# Altium PCB PW-Sat2_EPS_EM_Battery-Controller.PcbDoc (continued)
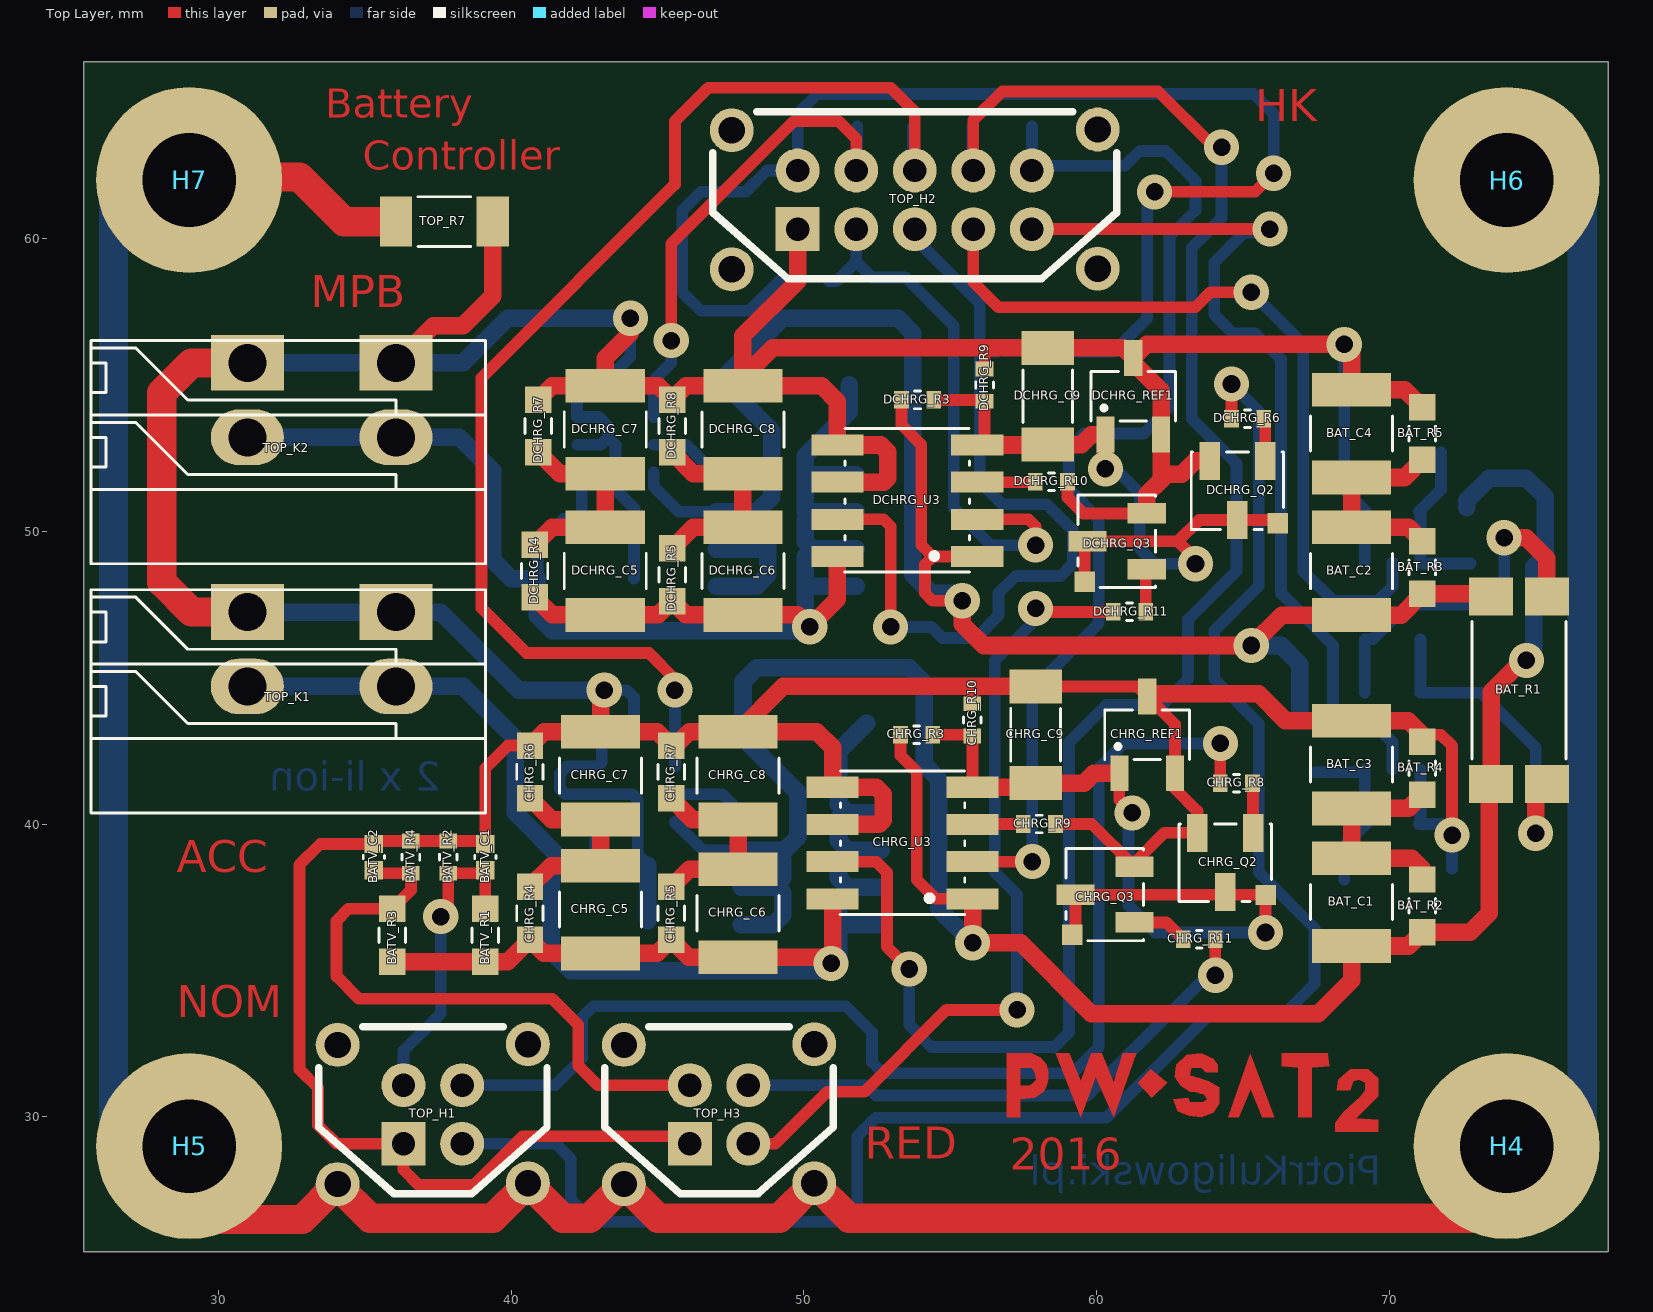
[diagram p0: Top Layer view]
## Footprints (in the part's own frame and the unit in brackets; to place one, negate y for a bottom-side part, rotate by r counter-clockwise, add the part's x,y. Pads: shape width x height; smd on the part's side, far side on the other; paste and mask are expansions set on the pad)
DO-214AA [mm] "JEDEC standard. SMB."
  rect 1.62x2.3 smd: A(2.14,-0.01) K(-2.08,-0.01)
  silkscreen extent -2.75,-2 2.8,2, body extent -2.76,-1.98 2.82,1.96, height 2.65
Harwin_Datamate_L-Tek_M80-8670405 [mm] "Harwin Datamate L-Teck M80-8670405, 2mm pitch, 2x2pin."
  round 1.5 hole 0.9: 0(-2.25,-1.375) 0(-2.25,3.375) 0(4.25,-1.35) 0(4.25,3.4)
  rect 1.5x1.5 hole 0.8: 1(0,0)
  round 1.5 hole 0.8: 2(0,2) 3(2,0) 4(2,2)
  silkscreen extent -2.9,-1.7 4.9,4, body extent -3,-1.82 4.9,4.02, height 8.21
Harwin_Datamate_L-Tek_M80-8671005 [mm] "Harwin Datamate L-Teck M80-8671005, 2mm pitch, 2x5pin."
  round 1.5 hole 0.9: 0(-2.25,-1.375) 0(-2.25,3.375) 0(10.25,-1.35) 0(10.25,3.4)
  rect 1.5x1.5 hole 0.8: 1(0,0)
  round 1.5 hole 0.8: 2(0,2) 3(2,0) 4(2,2) 5(4,0) 6(4,2) 7(6,0) 8(6,2) 9(8,0) 10(8,2)
  silkscreen extent -2.9,-1.7 10.9,4, body extent -2.95,-1.77 10.95,4.08, height 8.35
LCC1-4_BEC [mm] "Hermetic Leadless Chip Carrier Number 1, 4 Pads, Base-Emitter-Collector"
  rect 0.7x1.3 smd: B(-0.95,0.3) C(0,2.325) E(0.95,0.3)
  rect 0.7x0.7 smd: Shield(-1.375,2.425)
  silkscreen extent -1.58,0 1.58,2.65, body extent -1.53,0.05 1.53,2.6, height 1.4
PC-104_PcbMntHole_M3 [mm] "PCB Mounting Hole for PC-104 standard. Based on Pumpkin's Kit."
  round 6.35 hole 3.2: 1(0,0)
SMD_Capacitor_0402 [mm] "SMD Capacitor, Inch 0402, Metric 1005."
  rect 0.62x0.62 smd: 1(-0.45,0) 2(0.45,0)
  silkscreen extent -0.05,-0.36 0.05,0.36, body extent -0.5,-0.3 0.5,0.3, height 0.2
SMD_Capacitor_0603 [mm] "SMD Capacitor, Inch 0603, Metric 1608."
  rect 0.95x1 smd: 1(-0.9,0) 2(0.9,0)
  silkscreen extent -0.25,-0.45 0.25,0.45, body extent -0.8,-0.4 0.8,0.4, height 0.3
SMD_Capacitor_1206 [mm] "SMD Capacitor, Inch 1206, Metric 3216."
  rect 1.15x1.8 smd: 1(-1.65,0) 2(1.65,0)
  silkscreen extent -0.9,-0.85 0.9,0.85, body extent -1.6,-0.8 1.6,0.8, height 1
SMD_Capacitor_1210 [mm] "SMD Capacitor, Inch 1210, Metric 3225."
  rect 1.15x2.7 smd: 1(-1.5,0) 2(1.5,0)
  silkscreen extent -0.6,-1.4 0.6,1.4, body extent -2,-1.24 2,1.24, height 1.7
SMD_Resistor-shunt_2512 [mm] "SMD Shunt Resistor, Inch 2512, Metric 6332."
  rect 1.3x1.5 smd: 1(-3.2,0.95) 2(-3.2,-0.95) 3(3.2,-0.95) 4(3.2,0.95)
  silkscreen extent -2.35,-1.6 2.35,1.6, body extent -3.2,-1.6 3.2,1.6, height 0.8
SMD_Resistor_0402 [mm] "SMD Resistor, Inch 0402, Metric 1005."
  rect 0.5x0.6 smd: 1(-0.55,0) 2(0.55,0)
  silkscreen extent -0.1,-0.3 0.1,0.3, body extent -0.52,-0.3 0.52,0.3, height 0.34
SMD_Resistor_0603 [mm] "SMD Resistor, Inch 0603, Metric 1608."
  rect 0.9x0.9 smd: 1(-0.9,0) 2(0.9,0)
  silkscreen extent -0.25,-0.45 0.25,0.45, body extent -0.8,-0.45 0.8,0.45, height 0.5
SMD_Resistor_1206 [mm] "SMD Resistor, Inch 1206, Metric 3216."
  rect 1.1x1.7 smd: 1(-1.65,0) 2(1.65,0)
  silkscreen extent -0.9,-0.85 0.9,0.85, body extent -1.6,-0.8 1.6,0.8, height 0.8
SOIC-8-N [mm] "JEDEC standard. SO-8."
  rect 1.78x0.72 smd: 1(-2.42,1.92) 2(-2.42,0.65) 3(-2.42,-0.62) 4(-2.42,-1.89) 5(2.36,-1.89) 6(2.36,-0.62) 7(2.36,0.65) 8(2.36,1.92)
  silkscreen extent -2.15,-2.45 2.11,2.45, body extent -3.02,-2.44 2.98,2.46, height 1.7
SOIC-8-N_SSSGDDDD [mm] "JEDEC standard. SO-8. SSSGDDDD."
  rect 1.78x0.72 smd: D(2.38,-1.9) D(2.38,-0.63) D(2.38,0.64) D(2.38,1.91) G(-2.4,-1.9) S(-2.4,-0.63) S(-2.4,0.64) S(-2.4,1.91)
  silkscreen extent -2.13,-2.46 2.13,2.44, body extent -3,-2.45 3,2.45, height 1.7
SOT23-3 [mm] "JEDEC TO-236AB package."
  rect 1.22x0.62 smd: 1(-1.31,0.95) 2(-1.31,-0.95) 3(1.31,0)
  silkscreen extent -0.85,-1.45 0.85,1.45, body extent -1.4,-1.45 1.4,1.45, height 1.3
SOT23-5 [mm] "JEDEC MO-178AA package."
  rect 1.22x0.62 smd: 1(-1.31,0.95) 2(-1.31,0) 3(-1.31,-0.95) 4(1.31,-0.95) 5(1.31,0.95)
  silkscreen extent -0.85,-1.45 0.85,1.45, body extent -1.4,-1.45 1.4,1.45, height 1.45
SOT23-6 [mm] "JEDEC MO-178AB package."
  rect 1.22x0.62 smd: 1(-1.31,0.95) 2(-1.31,0) 3(-1.31,-0.95) 4(1.31,-0.95) 5(1.31,0) 6(1.31,0.95)
  silkscreen extent -0.85,-1.45 0.85,1.45, body extent -1.4,-1.45 1.4,1.45, height 1.45
TerminalBlock_Spring_2.54_2-R [mm] "Terminal block with spring, 2.54mm pitch, right angle, 2-pin."
  rect 2.5x1.9 hole 1.3: 1(0,0) 1(5.08,0)
  oval 2.5x1.9 hole 1.3: 2(0,2.54) 2(5.08,2.54)
  silkscreen extent -3.05,-0.76 10.41,6.86, body extent -3.05,-0.74 10.41,6.86, height 12.6

## Part data
BAT_C1 BAT_C2 BAT_C3 BAT_C4 CHRG_C5 CHRG_C6 CHRG_C7 CHRG_C8 DCHRG_C5 DCHRG_C6 DCHRG_C7 DCHRG_C8: library part Cer_GCJ32ER71E106KA12L, "Ceramic Cap Murata Automotive 10u/25V X7R 1210"
BAT_R1: library part LR2512-R033FW, "33mR ,1%, 2W, shunt resistor, TE Connectivity."
BAT_R2 BAT_R3 BAT_R4 BAT_R5 BATV_R1 BATV_R3 CHRG_R4 CHRG_R5 CHRG_R6 CHRG_R7 DCHRG_R4 DCHRG_R5 DCHRG_R7 DCHRG_R8: library part CRCW0603470KFKxxxx, "470k/1% Vishay CRCW 0603 Resistor. 100mW, 100ppm, 75V."
BATV_C1 BATV_C2: library part Cer_GCM155R71H103KA55D, "Ceramic Cap Murata Automotive 10n/50V X7R 0402"
BATV_R2 BATV_R4 CHRG_R9 DCHRG_R10: library part CRCW0402150KFKxxxx, "150k/1% Vishay CRCW 0402 Resistor. 63mW, 100ppm, 50V."
CHRG_C1 CHRG_C3 DCHRG_C2 DCHRG_C4: library part Cer_GCJ188R71H104KA12D, "Ceramic Cap Murata Automotive 100n/50V X7R 0603"
CHRG_C2 CHRG_C4 CHRG_C9 DCHRG_C1 DCHRG_C3 DCHRG_C9: library part Cer_C1206T105K3RALTU, "Ceramic Cap Kemet COTS 1u/25V X7R 1206"
CHRG_D1 DCHRG_D1: library part STPS340x, "3A/40V Power Schottky Rectifier."
CHRG_Q1 DCHRG_Q1: "10A/30V HEXFET Power P-MOSFET."
CHRG_Q2 CHRG_Q3 DCHRG_Q2 DCHRG_Q3: "Silicon Planar Epitaxial NPN Transistor."
CHRG_R1 DCHRG_R1: library part CRCW0603220RFKxxxx, "220R/1% Vishay CRCW 0603 Resistor. 100mW, 100ppm, 75V."
CHRG_R2 DCHRG_R2: library part CRCW04021K00FKxxxx, "1k/1% Vishay CRCW 0402 Resistor. 63mW, 100ppm, 50V."
CHRG_R3 DCHRG_R3: library part CRCW040215K0FKxxxx, "15k/1% Vishay CRCW 0402 Resistor. 63mW, 100ppm, 50V."
CHRG_R8 CHRG_R10 CHRG_R11 DCHRG_R6 DCHRG_R9 DCHRG_R11: library part CRCW040222K0FKxxxx, "22k/1% Vishay CRCW 0402 Resistor. 63mW, 100ppm, 50V."
CHRG_REF1 DCHRG_REF1: library part LM4040DIM3-5.0, "Shunt V-REF, 5V, 1%, SOT23-3"
CHRG_U1 DCHRG_U1: "Ideal Diode, Low Loss PowerPath Controller."
CHRG_U2 DCHRG_U2: library part MAX4372, "High-Side Current-Sense Amplifier with Voltage Output"
CHRG_U3 DCHRG_U3: "Adj over-current protection 0.4-2A, Load Switch"
H4 H5 H6 H7: library part MntHole, "PCB Mounting Hole"
TOP_H1 TOP_H3: library part Harwin_Datamate_L-Tek_2x2pin, "Harwin DataMate L-Tek, 2mm pitch, 2x2pin."
TOP_H2: library part Harwin_Datamate_L-Tek_2x5pin, "Harwin DataMate L-Tek, 2mm pitch, 2x5pin."
TOP_K1 TOP_K2: library part TerminalBlock_Spring_2.54_2-R, "Terminal block with spring, 2-pin, 2.54mm pitch, right angle."
TOP_R1 TOP_R2 TOP_R3 TOP_R4 TOP_R5 TOP_R6: library part CRCW0402100KFKxxxx, "100k/1% Vishay CRCW 0402 Resistor. 63mW, 100ppm, 50V."
TOP_R7: library part CRCW120615R0FKxxxx, "15R/1% Vishay CRCW 1206 Resistor. 250mW, 100ppm, 200V."

## Via types
v1: diameter 1.2, hole 0.6, Top Layer to Bottom Layer, 33 vias

## Nets (pads, with @x,y where several pads share a name; then routed paths per layer and width w, separated by ;. In a path a pad name is that pad's centre, name@x,y a point inside that pad or via, vN(x,y) a via of type N, cw(c..) or ccw(c..) an arc to the next point about the centre after c; other vN are vias at no path point)
3V3: TOP_H2.2 TOP_R1.1 TOP_R2.1 TOP_R3.1 TOP_R4.2 TOP_R5.2 TOP_R6.2 | length 45.5
  Top Layer w0.4: v1(61.976,61.595) 65.405,61.595 v1(66.04,62.23)
  Bottom Layer w0.4: TOP_R5.2 49.149,58.547 48.133,57.531 46.482,57.531 45.847,58.166 45.847,60.96 46.482,61.595 48.006,61.595 48.736,62.325 TOP_H2.2 49.784,64.262 50.461,64.939 TOP_R6.2 TOP_R1.1 TOP_R2.1 TOP_R3.1 65.363,64.939 66.04,64.262 v1(66.04,62.23) ; TOP_R4.2 60.579,56.134 61.722,57.277 v1@61.722,61.341
BAT_MEAS_VOLTAGE_N: BATV_C1.1 BATV_R1.2 BATV_R2.1 TOP_H1.2 | length 10.4
  Top Layer w0.4: v1(37.592,36.841) 37.846,37.095 BATV_R2.1 BATV_C1.1@39.016,38.323 ; BATV_R1.2 BATV_C1.1
  Bottom Layer w0.4: TOP_H1.2 36.322,32.258 37.592,33.528 v1(37.592,36.841)
BAT_MEAS_VOLTAGE_R: BATV_C2.1 BATV_R3.2 BATV_R4.1 TOP_H3.2 | length 21
  Top Layer w0.4: BATV_C2.1@35.406,38.323 BATV_R4.1 36.576,37.741 BATV_R3.2 34.439,37.106 34.036,36.703 34.036,34.798 34.798,34.036 41.402,34.036 42.291,33.147 42.291,31.75 42.958,31.083 TOP_H3.2
BAT_RTN: BAT_C3.2 BAT_C4.2 BAT_R4.2 BAT_R5.2 BATV_C1.2 BATV_C2.2 BATV_R2.2 BATV_R4.2 CHRG_C1.1 CHRG_C2.1 CHRG_C7.2 CHRG_C8.2 CHRG_C9.2 CHRG_Q2.E CHRG_Q3.E CHRG_R2.2 CHRG_R6.2 CHRG_R7.2 CHRG_R9.2 CHRG_R10.2 CHRG_REF1.2 CHRG_REF1.3 CHRG_U2.1 CHRG_U3.5 CHRG_U3.6 DCHRG_C1.2 DCHRG_C2.2 DCHRG_C7.2 DCHRG_C8.2 DCHRG_C9.2 DCHRG_Q2.E DCHRG_Q3.E DCHRG_R2.2 DCHRG_R7.2 DCHRG_R8.2 DCHRG_R9.2 DCHRG_R10.2 DCHRG_REF1.2 DCHRG_REF1.3 DCHRG_U2.1 DCHRG_U3.5 DCHRG_U3.6 TOP_H1.1 TOP_H2.1 TOP_H3.1 TOP_K1.1 TOP_K2.1 TOP_R7.2 | length 220.8
  Top Layer w0.4: BATV_C2.2 33.481,39.323 32.766,38.608 32.766,31.623 33.401,30.988 33.401,29.718 34.036,29.083 TOP_H1.1 36.322,28.194 36.83,27.686 38.735,27.686 40.386,29.337 45.847,29.337 TOP_H3.1 ; BATV_C2.2@35.406,39.423 BATV_R4.2 BATV_R2.2 BATV_C1.2@39.016,39.423 ; BATV_C1.2 39.116,41.91 39.889,42.683 CHRG_R6.2 ; CHRG_R10.2 55.753,44.703 ; DCHRG_R9.2 56.166,56.138 ; CHRG_C9.2 61.382,44.703 CHRG_REF1.3 62.672,43.413 CHRG_REF1.2 62.672,41.214 63.439,40.447 CHRG_Q2.E 62.311,39.705 61.295,38.689 CHRG_Q3.E 59.832,40.005 CHRG_R9.2 ; DCHRG_R10.2 59.002,51.144 59.534,50.612 DCHRG_Q3.E ; BAT_R4.2@71.12,43.053 71.755,43.053 72.136,42.672 v1(72.136,39.624)
  Top Layer w0.6: TOP_K2.1@36.449,55.753 36.068,55.753 37.338,57.023 38.354,57.023 39.369,58.038 TOP_R7.2 ; CHRG_R6.2 40.651,42.683 41.124,43.156 CHRG_C7.2 ; DCHRG_R7.2 41.399,54.972 DCHRG_C7.2 ; v1@43.053,44.45 CHRG_C7.2 ; v1@44.196,57.404 44.323,57.277 v1(44.069,57.277) 44.069,56.769 43.212,55.912 DCHRG_C7.2 ; CHRG_R7.2 44.993,43.156 CHRG_C7.2 ; CHRG_R7.2@45.72,42.799 46.077,43.156 CHRG_C8.2 ; TOP_H2.1 49.784,58.547 47.911,56.674 DCHRG_C8.2@47.911,55.25 ; CHRG_U3.6 52.563,39.99 52.705,40.132 52.705,41.021 52.466,41.26 CHRG_U3.5 50.98,42.619 50.443,43.156 CHRG_C8.2 ; DCHRG_U3.6 52.722,51.679 52.864,51.821 52.864,52.71 52.625,52.949 DCHRG_U3.5 51.139,54.435 50.602,54.972 DCHRG_C8.2 ; CHRG_C9.2 55.753,44.703 49.299,44.703 CHRG_C8.2 ; DCHRG_Q3.E 61.708,51.267 62.196,51.755 ; CHRG_REF1.3 61.809,44.45 65.532,44.45 66.445,43.537 BAT_C3.2 70.636,43.537 BAT_R4.2@71.12,43.053 ; DCHRG_Q2.E 63.359,52.41 62.897,51.948 62.389,51.948 62.196,51.755 ; BAT_R5.2 70.52,54.84 BAT_C4.2 68.707,56.134 v1(68.453,56.388) 61.709,56.388 DCHRG_REF1.3 ; DCHRG_C7.2 45.025,54.972 DCHRG_R8.2 45.971,54.972 DCHRG_C8.2 ; DCHRG_C8.2 DCHRG_C8.2@47.911,55.25 ; DCHRG_C8.2@47.911,55.25 48.926,56.265 DCHRG_C9.2 60.906,56.265 DCHRG_REF1.3 ; DCHRG_REF1.3 61.246,55.758 62.196,54.808 DCHRG_REF1.2 62.196,51.755
  Top Layer w1: TOP_K1.1@30.988,47.244 29.083,47.244 28.067,48.26 28.067,54.737 29.083,55.753 TOP_K2.1@30.988,55.753
  Bottom Layer w0.4: v1(43.18,44.577) 43.942,44.577 44.196,44.323 DCHRG_R2.2 ; CHRG_R2.2 44.069,55.965 v1(44.069,57.277) ; v1(68.453,56.388) v1(68.453,56.388) DCHRG_C1.2 68.454,51.423 DCHRG_C2.2 ; DCHRG_U2.1 DCHRG_C2.2@69.154,50.623 ; CHRG_C1.1 v1@71.755,40.005 ; CHRG_C1.1@71.054,40.055 CHRG_U2.1 ; CHRG_C2.1@72.136,38.482 v1(72.136,39.624)
  Bottom Layer w0.6: TOP_K1.1@30.988,47.244 36.068,47.244 37.592,47.244 40.259,44.577 v1(43.18,44.577) ; TOP_K2.1@30.988,55.753 36.068,55.753 38.354,55.753 39.878,57.277 v1(44.069,57.277)
CHRG_ID_STAT: CHRG_U1.4 TOP_H2.4 TOP_R6.1 | length 17
  Top Layer w0.4: v1(45.466,56.515) 45.466,59.817 49.657,64.008 51.181,64.008 51.784,63.405 TOP_H2.4
  Bottom Layer w0.4: CHRG_U1.4 44.872,55.159 45.466,55.753 v1(45.466,56.515) ; TOP_H2.4@51.816,62.357 TOP_R6.1
CHRG_LCL_FB: CHRG_U3.7 TOP_H2.8 TOP_R2.2 | length 61.1
  Top Layer w0.4: CHRG_U3.7 52.466,38.72 52.832,38.354 52.832,35.814 v1(53.594,35.052) ; TOP_H2.8 55.784,64.039 56.769,65.024 62.103,65.024 64.008,63.119 v1(64.262,63.119)
  Bottom Layer w0.4: v1(53.594,35.052) 53.594,33.147 54.356,32.385 58.547,32.385 59.055,32.893 59.055,42.799 60.325,44.069 62.23,44.069 63.119,44.958 63.119,46.99 64.77,48.641 64.77,52.324 63.246,53.848 63.246,59.69 64.262,60.706 v1(64.262,63.119) ; TOP_H2.8@55.753,62.356 TOP_R2.2
CHRG_LCL_PG: CHRG_U3.2 TOP_H2.10 TOP_R3.2 | length 37.4
  Top Layer w0.4: CHRG_U3.2 v1(57.8,38.72)
  Bottom Layer w0.4: TOP_R3.2 57.785,62.326 57.943,62.484 60.96,62.484 61.468,62.992 62.357,62.992 63.373,61.976 63.373,60.96 62.484,60.071 62.484,54.229 61.595,53.34 59.563,53.34 59.055,52.832 59.055,51.435 60.071,50.419 60.071,46.863 57.8,44.592 v1(57.8,38.72)
CHRG_LCLN_ON: CHRG_R8.2 TOP_H1.4 | length 41
  Top Layer w0.4: CHRG_R8.2 v1(64.22,42.757)
  Bottom Layer w0.4: TOP_H1.4 41.497,31.083 42.418,32.004 42.418,33.401 42.799,33.782 51.435,33.782 52.324,32.893 52.324,31.877 52.705,31.496 59.182,31.496 60.071,32.385 60.071,41.91 60.918,42.757 v1(64.22,42.757)
CHRG_LCLR_ON: CHRG_R11.2 TOP_H3.4 | length 19
  Top Layer w0.4: v1(64.05,34.84) CHRG_R11.2
  Bottom Layer w0.4: TOP_H3.4 52.102,31.083 52.451,30.734 59.69,30.734 63.796,34.84 v1(64.05,34.84)
CHRG_MEAS_CURRENT: CHRG_U2.2 TOP_H2.9 | length 31.6
  Top Layer w0.4: TOP_H2.9 v1(65.913,60.325)
  Bottom Layer w0.4: v1@66.04,60.198 65.024,60.198 64.008,59.182 64.008,57.404 64.643,56.769 65.405,56.769 66.294,55.88 66.294,47.879 68.072,46.101 68.072,43.561 68.453,43.18 69.723,43.18 70.104,42.799 CHRG_U2.2
DCHRG_ID_STAT: DCHRG_U1.4 TOP_H2.6 TOP_R1.2 | length 42.4
  Top Layer w0.4: v1(45.593,44.577) 45.593,44.958 44.704,45.847 40.513,45.847 38.989,47.371 38.989,55.245 45.593,61.849 45.593,64.008 46.736,65.151 52.959,65.151 53.784,64.326 TOP_H2.6
  Bottom Layer w0.4: DCHRG_U1.4 45.591,44.575 v1(45.593,44.577) ; TOP_H2.6@53.721,62.388 TOP_R1.2
DCHRG_LCL_FB: DCHRG_U3.7 TOP_H2.5 TOP_R4.1 | length 28.4
  Top Layer w0.4: DCHRG_U3.7 52.715,50.409 52.959,50.165 v1(52.959,46.736)
  Bottom Layer w0.4: v1(52.959,46.736) 54.356,46.736 54.737,46.355 55.88,46.355 56.642,47.117 56.642,47.879 57.239,48.476 58.763,48.476 59.182,48.895 59.182,50.038 58.293,50.927 56.769,50.927 56.007,51.689 56.007,56.134 ; TOP_H2.5 53.784,60.008 56.007,57.785 56.007,56.134 ; TOP_R4.1 56.007,56.134
DCHRG_LCL_PG: DCHRG_U3.2 TOP_H2.3 TOP_R5.1 | length 18.8
  Top Layer w0.4: DCHRG_U3.2 57.668,50.409 57.912,50.165 v1(57.912,49.53)
  Bottom Layer w0.4: TOP_R5.1 51.117,58.547 51.784,59.214 ; TOP_H2.3 51.784,59.214 ; v1(57.912,49.53) 56.388,49.53 55.118,50.8 55.118,57.023 53.467,58.674 52.324,58.674 51.784,59.214
DCHRG_LCLN_ON: DCHRG_R6.2 TOP_H1.3 | length 59.9
  Top Layer w0.4: DCHRG_R6.2 v1(64.601,55.033)
  Bottom Layer w0.4: TOP_H1.3 41.529,29.083 42.037,28.575 42.037,27.178 42.799,26.416 51.181,26.416 51.816,27.051 51.816,29.337 52.451,29.972 60.325,29.972 63.881,33.528 66.421,33.528 67.437,34.544 67.437,36.449 65.532,38.354 65.532,43.434 64.008,44.958 64.008,46.609 65.532,48.133 65.532,54.102 v1(64.601,55.033)
DCHRG_LCLR_ON: DCHRG_R11.2 TOP_H3.3 | length 28.5
  Top Layer w0.4: TOP_H3.3 49.022,29.083 50.8,30.861 52.07,30.861 54.864,33.655 v1(57.277,33.655) ; v1(57.912,47.371) 58.034,47.249 DCHRG_R11.2
  Bottom Layer w0.4: v1@57.531,33.655 57.277,33.909 57.277,37.592 56.515,38.354 56.515,45.593 57.912,46.99 v1(57.912,47.371)
DCHRG_MEAS_CURRENT: DCHRG_U2.2 TOP_H2.7 | length 26.6
  Top Layer w0.4: TOP_H2.7 55.784,58.516 56.642,57.658 63.373,57.658 63.881,58.166 v1(65.278,58.166)
  Bottom Layer w0.4: v1(65.278,58.166) 67.056,56.388 67.056,48.641 68.072,47.625 69.596,47.625 70.104,48.133 DCHRG_U2.2
NetBAT_C1_1: BAT_C1.1 BAT_R1.1 BAT_R2.1 CHRG_R3.1 CHRG_U3.1 DCHRG_D1.K DCHRG_Q1.S DCHRG_R1.1 DCHRG_U1.6 | length 80.7
  Top Layer w0.4: CHRG_R3.1 53.298,42.333 53.848,41.783 53.848,38.1 54.498,37.45 CHRG_U3.1
  Top Layer w0.6: CHRG_U3.1 v1(55.76,35.948) 57.397,35.948 59.817,33.528 67.564,33.528 68.707,34.671 BAT_C1.1 70.647,35.838 BAT_R2.1 72.76,36.311 73.406,36.957 73.406,41.062 BAT_R1.1@73.091,41.377 ; BAT_R1.1 73.472,44.516 74.549,45.593 v1(74.676,45.593)
  Bottom Layer w0.4: DCHRG_U1.6 46.551,39.111 DCHRG_Q1.S@47.85,39.111
  Bottom Layer w0.6: DCHRG_Q1.S@47.85,36.571 48.954,36.571 49.274,36.891 49.274,37.653 49.086,37.841 48.954,37.841 ; DCHRG_Q1.S@47.85,37.841 48.954,37.841 ; DCHRG_Q1.S@47.85,39.111 48.959,39.111 ; v1(55.76,35.948) 54.61,37.098 54.61,41.529 54.102,42.037 54.102,44.831 53.594,45.339 48.387,45.339 47.916,44.868 DCHRG_D1.K 47.916,42.948 49.782,41.082 49.782,39.558 49.335,39.111 48.959,39.111 ; DCHRG_R1.1@72.644,50.8 72.644,51.054 73.406,51.816 74.676,51.816 75.311,51.181 75.311,50.146 75.322,50.135 75.322,49.179 74.93,48.787 74.93,45.847 v1(74.676,45.593) ; 48.954,37.841 49.274,38.161 49.274,38.796 48.959,39.111
NetBAT_C1_2: BAT_C1.2 BAT_C3.1 BAT_R2.2 BAT_R4.1 | length 7.2
  Top Layer w0.6: BAT_R2.2 71.12,38.481 70.763,38.838 BAT_C1.2 BAT_C3.1 70.647,40.537 BAT_R4.1
NetBAT_C2_1: BAT_C2.1 BAT_R1.4 BAT_R3.1 CHRG_D1.K CHRG_Q1.S CHRG_R1.1 CHRG_U1.6 DCHRG_R3.1 DCHRG_U3.1 | length 66.8
  Top Layer w0.4: DCHRG_R3.1 53.33,53.641 54.007,52.964 54.007,49.535 54.403,49.139 ; v1(55.404,47.63) 54.388,47.63 54.134,47.884 54.134,48.87 54.403,49.139 ; DCHRG_U3.1 54.403,49.139
  Top Layer w0.6: v1(55.404,47.63) 55.404,46.831 56.134,46.101 v1(65.278,46.101) 66.318,47.141 BAT_C2.1 70.393,47.141 BAT_R3.1 73,47.868 BAT_R1.4@73.091,47.777
  Bottom Layer w0.4: CHRG_U1.6 44.872,51.521 45.725,50.668 CHRG_Q1.S@47.004,50.668
  Bottom Layer w0.6: CHRG_Q1.S@47.004,48.128 48.382,48.128 48.768,48.514 48.768,50.292 48.392,50.668 ; CHRG_Q1.S@47.004,49.398 48.519,49.398 ; CHRG_Q1.S@47.004,50.668 48.392,50.668 ; v1@55.499,47.879 54.356,47.879 53.721,48.514 53.721,56.769 53.213,57.277 49.276,57.277 47.324,55.325 CHRG_D1.K 48.895,53.43 48.895,51.171 48.392,50.668 ; v1(65.278,46.101) 66.294,46.101 66.929,45.466 CHRG_R1.1
NetBAT_C2_2: BAT_C2.2 BAT_C4.1 BAT_R3.2 BAT_R5.1 | length 7
  Top Layer w0.6: BAT_R3.2 70.647,50.141 BAT_C2.2 BAT_C4.1 70.52,51.84 BAT_R5.1
NetBAT_R1_2: BAT_R1.2 CHRG_U2.5 DCHRG_U2.4 | length 11.1
  Top Layer w0.6: v1(74.991,39.69) BAT_R1.2@74.991,41.377
  Bottom Layer w0.4: DCHRG_U2.4 CHRG_U2.5 73.112,44.49 74.991,42.611 v1(74.991,39.69)
NetBAT_R1_3: BAT_R1.3 CHRG_U2.4 DCHRG_U2.5 | length 12
  Top Layer w0.6: v1(73.914,49.784) 74.676,49.784 75.372,49.088 BAT_R1.3
  Bottom Layer w0.4: CHRG_U2.4 DCHRG_U2.5 69.429,46.315 70.612,47.498 73.152,47.498 73.914,48.26 v1(73.914,49.784)
NetBATV_R1_1: BATV_R1.1 BATV_R3.1 CHRG_C5.1 CHRG_C6.1 CHRG_R4.1 CHRG_R5.1 CHRG_U3.8 DCHRG_C3.1 DCHRG_C4.1 DCHRG_D1.A DCHRG_Q1.D DCHRG_U1.1 TOP_K1.2 | length 62.5
  Top Layer w0.6: BATV_R3.1 BATV_R1.1 39.889,35.306 CHRG_R4.1 41.113,35.584 CHRG_C5.1 44.993,35.584 CHRG_R5.1 46.066,35.457 CHRG_C6.1 50.712,35.457 v1(50.927,35.242) 50.98,35.295 CHRG_U3.8
  Bottom Layer w0.6: TOP_K1.2@30.988,44.704 36.068,44.704 38.354,44.704 40.132,42.926 40.132,40.386 41.847,38.671 41.847,38.608 ; DCHRG_U1.1 42.971,38.706 DCHRG_C4.1 41.847,38.608 ; 51.179,36.378 51.179,35.494 v1(50.927,35.242) 50.671,34.986 42.035,34.986 41.361,35.66 DCHRG_C3.1 41.361,38.122 41.847,38.608 ; 51.179,37.526 51.179,36.764 51.372,36.571 DCHRG_Q1.D@52.63,36.571 ; DCHRG_D1.A 51.179,42.487 51.179,40.701 51.499,40.381 ; DCHRG_Q1.D@52.63,37.841 51.499,37.841 51.179,38.161 51.179,38.791 51.499,39.111 ; DCHRG_Q1.D@52.63,39.111 51.499,39.111 ; DCHRG_Q1.D@52.63,40.381 51.499,40.381 ; 51.499,39.111 51.179,39.431 51.179,40.193 51.367,40.381 51.499,40.381
NetCHRG_C1_2: CHRG_C1.2 CHRG_C2.2 CHRG_R1.2 CHRG_U2.3 | length 5.6
  Bottom Layer w0.4: 67.437,41.772 CHRG_U2.3@69.056,41.772 ; CHRG_C2.2 68.454,39.255 CHRG_C1.2 ; CHRG_C1.2@69.154,40.055 CHRG_U2.3
NetCHRG_C3_1: CHRG_C3.1 CHRG_C4.1 CHRG_D1.A CHRG_Q1.D CHRG_U1.1 DCHRG_C5.1 DCHRG_C6.1 DCHRG_R4.1 DCHRG_R5.1 DCHRG_U3.8 TOP_K2.2 | length 57.7
  Top Layer w0.6: DCHRG_R4.1 41.399,47.146 DCHRG_C5.1 45.025,47.146 DCHRG_R5.1 45.971,47.146 DCHRG_C6.1 49.792,47.146 v1(50.197,46.741) ; v1@50.602,47.146 51.139,47.683 DCHRG_U3.8
  Bottom Layer w0.4: CHRG_C4.1 40.896,49.532 41.783,50.419 CHRG_C3.1 42.408,51.853 CHRG_U1.1
  Bottom Layer w0.6: TOP_K2.2@30.988,53.213 36.068,53.213 38.227,53.213 39.37,52.07 39.37,49.022 40.005,48.387 CHRG_C4.1 40.896,47.115 41.402,46.609 49.911,46.609 50.292,46.99 50.038,47.244 50.038,48.26 ; CHRG_D1.A 51.544,54.084 50.038,52.578 50.038,51.816 ; CHRG_Q1.D@51.784,48.128 50.17,48.128 50.038,48.26 ; CHRG_Q1.D@51.784,49.398 50.287,49.398 ; CHRG_Q1.D@51.784,50.668 50.287,50.668 ; CHRG_Q1.D@51.784,51.938 50.16,51.938 50.038,51.816 ; 50.038,48.26 50.038,49.149 50.287,49.398 ; 50.038,51.816 50.038,50.673 50.043,50.668 50.287,50.668 ; 50.287,49.398 50.038,49.647 50.038,50.419 50.287,50.668
NetCHRG_C3_2: CHRG_C3.2 CHRG_C4.2 CHRG_R2.1 CHRG_U1.2 CHRG_U1.3 | length 9.2
  Bottom Layer w0.4: CHRG_U1.3@42.249,53.912 CHRG_R2.1 ; CHRG_U1.2 43.053,52.959 43.307,53.213 ; CHRG_U1.3 42.992,53.909 43.307,53.594 43.307,53.213 ; CHRG_C4.2 CHRG_C3.2@44.196,50.407 ; CHRG_C3.2 44.208,50.788 43.561,51.435 43.561,52.959 43.307,53.213
NetCHRG_C5_2: CHRG_C5.2 CHRG_C7.1 CHRG_R4.2 CHRG_R6.1 | length 7
  Top Layer w0.6: CHRG_R4.2 41.367,38.584 CHRG_C5.2 CHRG_C7.1 41.378,40.156 40.651,40.883 CHRG_R6.1
NetCHRG_C6_2: CHRG_C6.2 CHRG_C8.1 CHRG_R5.2 CHRG_R7.1 | length 6.8
  Top Layer w0.6: CHRG_R5.2 45.477,37.857 46.077,38.457 CHRG_C6.2 CHRG_C8.1 46.193,40.156 CHRG_R7.1
NetCHRG_C9_1: CHRG_C9.1 CHRG_Q2.C CHRG_Q2.Shield CHRG_Q3.C CHRG_Q3.Shield CHRG_R3.2 CHRG_R10.1 CHRG_REF1.1 CHRG_U3.4 | length 26.9
  Top Layer w0.4: CHRG_R3.2 CHRG_R10.1@55.711,43.053 ; CHRG_U3.4@55.753,41.267 CHRG_R10.1 ; CHRG_Q3.Shield@59.27,36.317 CHRG_Q3.C CHRG_Q2.Shield@65.752,37.592 ; CHRG_REF1.1 60.772,40.828 v1(61.214,40.386) ; v1(65.764,36.3) CHRG_Q2.Shield
  Top Layer w0.6: CHRG_U3.4 CHRG_C9.1@57.769,41.26 ; CHRG_C9.1 59.564,41.403 59.904,41.743 CHRG_REF1.1
  Bottom Layer w0.4: v1(61.214,40.386) 61.087,40.259 61.087,37.211 61.998,36.3 v1(65.764,36.3)
NetCHRG_Q1_G: CHRG_Q1.G CHRG_U1.5 | length 2.6
  Bottom Layer w0.4: CHRG_U1.5 45.983,52.959 CHRG_Q1.G
NetCHRG_Q2_B: CHRG_Q2.B CHRG_R8.1 | length 1.7
  Top Layer w0.4: CHRG_Q2.B CHRG_R8.1@65.339,41.383
NetCHRG_Q3_B: CHRG_Q3.B CHRG_R11.1 | length 1.9
  Top Layer w0.4: CHRG_Q3.B 62.376,36.642 CHRG_R11.1
NetCHRG_R9_1: CHRG_R9.1 CHRG_U3.3 | length 1.7
  Top Layer w0.4: CHRG_U3.3@55.775,40.005 CHRG_R9.1
NetDCHRG_C1_1: DCHRG_C1.1 DCHRG_C2.1 DCHRG_R1.2 DCHRG_U2.3 | length 5.7
  Bottom Layer w0.4: DCHRG_C2.1 71.754,51.423 DCHRG_C1.1 ; DCHRG_U2.3 DCHRG_C2.1@71.054,50.623 ; DCHRG_U2.3@71.083,48.906 DCHRG_R1.2@72.771,48.906
NetDCHRG_C3_2: DCHRG_C3.2 DCHRG_C4.2 DCHRG_R2.1 DCHRG_U1.2 DCHRG_U1.3 | length 10.2
  Bottom Layer w0.4: DCHRG_U1.3 41.908,41.971 41.654,41.717 41.654,41.209 41.842,41.021 DCHRG_U1.2 44.128,41.021 44.321,40.828 44.321,38.96 DCHRG_C4.2 ; DCHRG_U1.3@43.096,42.096 DCHRG_R2.1
  Bottom Layer w0.6: DCHRG_C3.2 DCHRG_C4.2@44.661,38.596
NetDCHRG_C5_2: DCHRG_C5.2 DCHRG_C7.1 DCHRG_R4.2 DCHRG_R7.1 | length 7.1
  Top Layer w0.6: DCHRG_R4.2 41.399,50.146 DCHRG_C5.2 DCHRG_C7.1 41.653,51.972 DCHRG_R7.1
NetDCHRG_C6_2: DCHRG_C6.2 DCHRG_C8.1 DCHRG_R5.2 DCHRG_R8.1 | length 7.3
  Top Layer w0.6: DCHRG_R5.2 46.225,50.146 DCHRG_C6.2 DCHRG_C8.1 46.225,51.972 DCHRG_R8.1
NetDCHRG_C9_1: DCHRG_C9.1 DCHRG_Q2.C DCHRG_Q2.Shield DCHRG_Q3.C DCHRG_Q3.Shield DCHRG_R3.2 DCHRG_R9.1 DCHRG_REF1.1 DCHRG_U3.4 | length 22.8
  Top Layer w0.4: DCHRG_R3.2 DCHRG_R9.1@56.124,54.488 ; DCHRG_U3.4@56.166,53.196 DCHRG_R9.1 ; DCHRG_Q3.Shield DCHRG_Q3.C@59.583,49.562 ; DCHRG_Q3.C 62.77,49.662 ; v1(63.373,48.895) 63.373,49.059 62.77,49.662 ; DCHRG_Q2.Shield@66.077,50.385 DCHRG_Q2.C 63.493,50.385 62.77,49.662
  Top Layer w0.6: DCHRG_U3.4 DCHRG_C9.1@58.309,52.949 ; DCHRG_C9.1 59.469,52.965 59.809,53.305 DCHRG_REF1.1 v1(60.296,52.136)
  Bottom Layer w0.4: v1@60.391,52.385 61.468,51.308 61.468,49.403 61.976,48.895 v1@62.992,48.895
NetDCHRG_Q1_G: DCHRG_Q1.G DCHRG_U1.5 | length 2.5
  Bottom Layer w0.4: DCHRG_U1.5 47.21,41.021 DCHRG_Q1.G
NetDCHRG_Q2_B: DCHRG_Q2.B DCHRG_R6.1 | length 1.4
  Top Layer w0.4: DCHRG_Q2.B DCHRG_R6.1@65.752,53.848
NetDCHRG_Q3_B: DCHRG_Q3.B DCHRG_R11.1 | length 1.4
  Top Layer w0.4: DCHRG_R11.1 DCHRG_Q3.B@61.669,48.673
NetDCHRG_R10_1: DCHRG_R10.1 DCHRG_U3.3 | length 2
  Top Layer w0.4: DCHRG_U3.3 DCHRG_R10.1@57.887,51.679
NetH4_1: H4.1 H5.1 H6.1 H7.1 TOP_H1.0@34.072,27.708 TOP_H1.0@40.572,27.733 TOP_H3.0@43.851,27.708 TOP_H3.0@50.351,27.733 TOP_R7.1 | length 137.2
  Top Layer w1: H5.1 29,26.499 32.863,26.499 34.072,27.708 34.072,27.65 35.179,26.543 39.382,26.543 40.572,27.733 41.762,26.543 42.686,26.543 43.851,27.708 45.016,26.543 49.161,26.543 50.351,27.733 51.541,26.543 73.787,26.543 74,26.756 H4.1 ; H7.1@29.102,62.102 32.767,62.102 34.29,60.579 TOP_R7.1
  Bottom Layer w1: H5.1 26.416,29 26.416,62 H7.1 ; H4.1 76.117,29 76.581,29.464 76.581,61.595 76.176,62 H6.1
pads on no net: TOP_H1.0@34.072,32.458 TOP_H1.0@40.572,32.483 TOP_H2.0 TOP_H3.0@43.851,32.458 TOP_H3.0@50.351,32.483

## Other copper
Top Layer:
  region: 69.012,30.709 68.402,30.15 68.148,29.794 68.148,29.489 69.621,29.489 69.621,29.896 68.859,29.947 69.621,30.709 69.621,31.318 69.266,31.623 68.656,31.623 68.25,31.267 68.199,30.912 68.656,30.912 68.758,31.217 68.961,31.267 69.164,31.166 69.164,30.912
  region: 66.878,29.997 67.335,29.997 67.335,31.674 67.945,31.725 67.894,32.182 66.319,32.182 66.319,31.725 66.878,31.674
  region: 64.491,29.997 65.24,32.156 66.065,29.997 65.659,29.997 65.253,30.963 64.846,29.997
  region: 63.322,30.861 63.17,30.861 62.865,31.064 62.662,31.369 62.713,31.775 63.068,32.131 63.576,32.182 63.983,31.979 64.135,31.775 64.135,31.521 63.729,31.521 63.576,31.674 63.221,31.674 63.17,31.42 63.525,31.318 63.83,31.217 64.186,31.013 64.186,30.455 63.983,30.15 63.576,29.997 63.144,30.048 62.763,30.201 62.611,30.607 63.119,30.658 63.17,30.505 63.627,30.505 63.779,30.607 63.678,30.759
  region: 62.408,31.166 61.849,31.623 61.392,31.166 61.874,30.658
  region: 58.598,32.182 59.461,29.997 59.969,31.369 60.579,29.997 61.341,32.182 60.884,32.182 60.579,31.166 60.173,32.182 59.817,32.182 59.461,31.217 59.055,32.182
  region: 56.921,29.997 56.921,32.182 57.785,32.182 58.09,32.029 58.293,31.775 58.344,31.521 58.344,31.267 58.293,31.064 58.191,30.861 57.887,30.658 57.379,30.607 57.379,31.064 57.683,31.064 57.785,31.115 57.937,31.267 57.887,31.521 57.785,31.674 57.379,31.674 57.379,29.997
  text "Battery" at 33.655,64.135 h1
  text "HK" at 65.405,64.008 h1.1
  text "Controller" at 34.925,62.357 h1
  text "MPB" at 33.147,57.658 h1.1
  text "ACC" at 28.575,38.354 h1.1
  text "NOM" at 28.575,33.401 h1.1
  text "RED" at 52.07,28.575 h1.1
  text "2016" at 57.023,28.194 h1.1
Bottom Layer:
  text "2 x li-ion" at 37.592,41.148 h1
  text "PiotrKuligowski.pl" at 69.723,27.686 h1

## Silkscreen, mask and mechanical layers (free items; w line width, h text height)
Mechanical 1:
  the board outline again, w0.2